# Altium PCB NIXIEClock_PCB_V3.2.PcbDoc (part 1 of 3)
Units mil, origin at the board's own origin, x right, y up, seen from the top; angles counter-clockwise.
Board outline 9842.52 x 2952.76 mil, 2 copper layers (Top Layer, Bottom Layer); 233 components, 344 nets, 1063 pads, 410 vias.
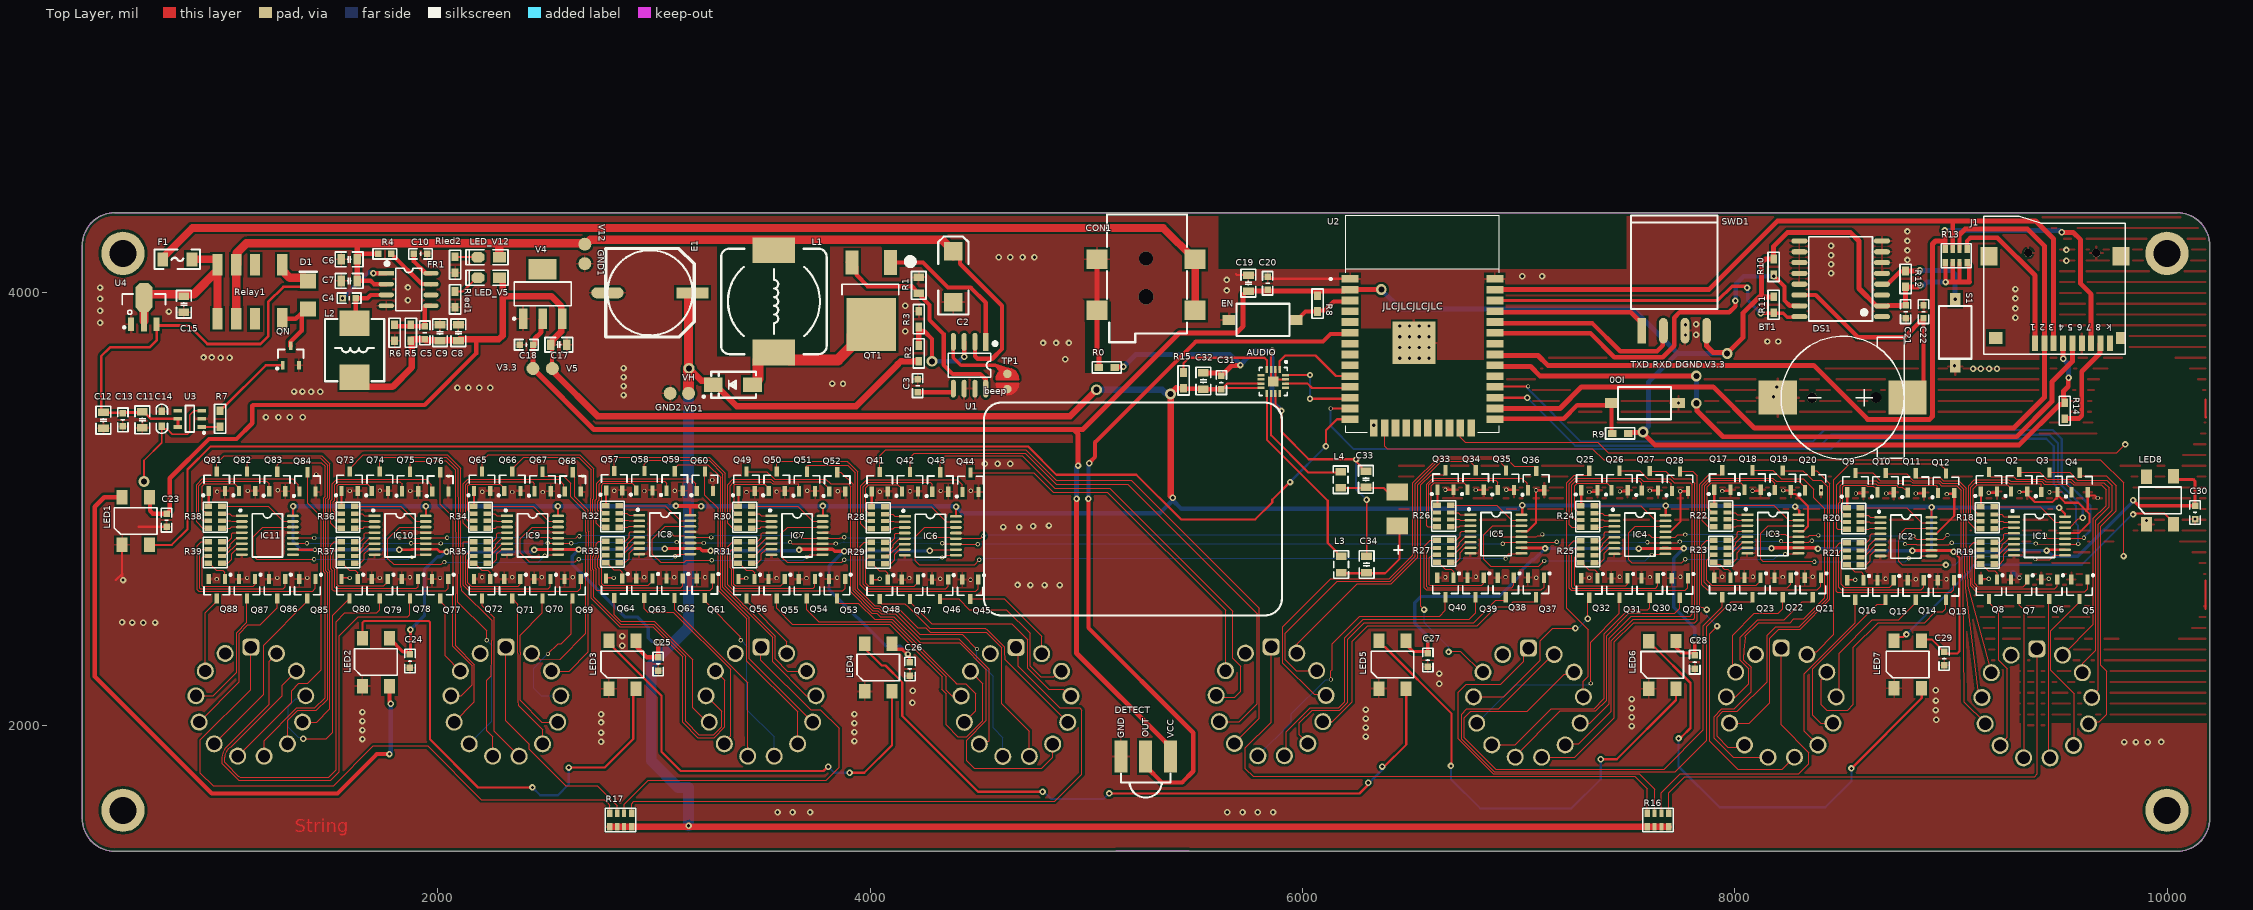
[diagram p0: Top Layer view]
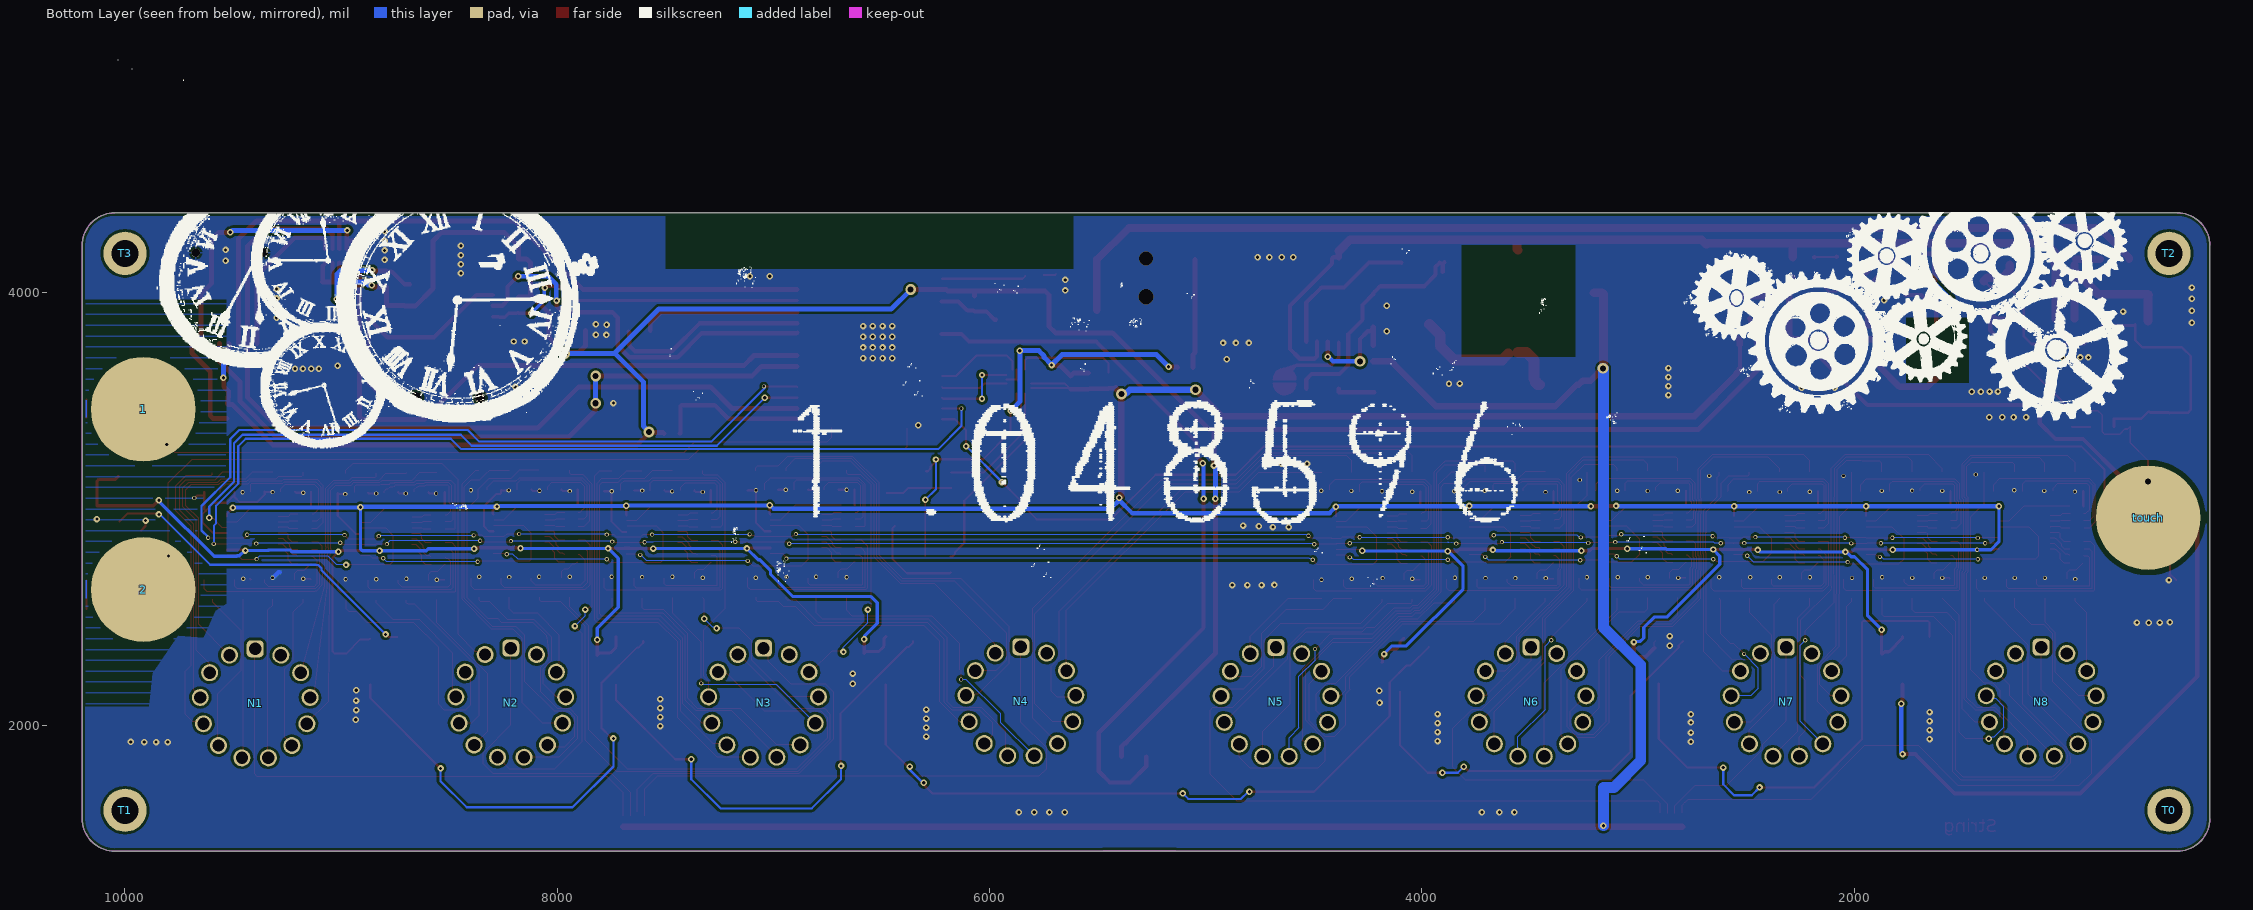
[diagram p1: Bottom Layer view, seen from below]

## Layer stack, top to bottom
Top Solder: solder mask 0.4, Solder Resist, Dk 3.5
Top Layer: signal copper 1.4
Dielectric 1: dielectric 12.6, FR-4, Dk 4.8
Bottom Layer: signal copper 1.4
Bottom Solder: solder mask 0.4, Solder Resist, Dk 3.5

## Board outline
355,1567.24 355,4220 cw(c505,4220) 505,4370 10047.52,4370 cw(c10047.52,4220) 10197.52,4220 10197.52,1567.24 cw(c10047.52,1567.24) 10047.52,1417.24 505,1417.24 cw(c505,1567.24)

## Design rules (kind name [scope] priority, off if disabled: settings)
Clearance Clearance_1 [InNamedPolygon('DGND_L01_P009') vs InNet('TOUCH1')] p1: gap=39.37 ignorepadtopadclearanceinfootprint=FALSE
Clearance Clearance_2 [InNamedPolygon('DGND_L01_P009') vs InNet('TOUCH2')] p2: gap=39.37 ignorepadtopadclearanceinfootprint=FALSE
Clearance top_DGND [InPolygon] p3: gap=11.81 ignorepadtopadclearanceinfootprint=FALSE
Clearance [All] p4: gap=6 ignorepadtopadclearanceinfootprint=TRUE except(11.81: Arc-THPad Arc-Via Track-THPad Track-Via SMDPad-THPad SMDPad-Via THPad-THPad THPad-Via Via-Via)
ComponentClearance [All] p1 off: gap=10 collisioncheckmode=3 verticalgap=10 showdistances=FALSE
HoleSize [All] p1: absolutevalues=TRUE maxlimit=500 minlimit=11.81 maxpercent=80.000 minpercent=20.000
MinimumSolderMaskSliver [All] p1: minsoldermaskwidth=0
PolygonConnect PolygonConnect_4 [All vs IsNamedPolygon('GND_L01_P006')] p1: thpad.connectstyle=Relief thpad.reliefconductorwidth=10 thpad.reliefentries=4 thpad.polygonreliefangle="90 Angle" thpad.airgapwidth=10 smdpad.connectstyle=Relief smdpad.reliefconductorwidth=10 smdpad.reliefentries=4 smdpad.polygonreliefangle="90 Angle" smdpad.airgapwidth=10 via.connectstyle=Direct via.reliefconductorwidth=10 via.reliefentries=4 via.polygonreliefangle="90 Angle" via.airgapwidth=10
PolygonConnect PolygonConnect_3 [All] p2: thpad.connectstyle=Relief thpad.reliefconductorwidth=10 thpad.reliefentries=4 thpad.polygonreliefangle="90 Angle" thpad.airgapwidth=10 smdpad.connectstyle=Relief smdpad.reliefconductorwidth=10 smdpad.reliefentries=4 smdpad.polygonreliefangle="90 Angle" smdpad.airgapwidth=10 via.connectstyle=Direct via.reliefconductorwidth=10 via.reliefentries=4 via.polygonreliefangle="90 Angle" via.airgapwidth=10
PolygonConnect PolygonConnect_2 [All vs IsNamedPolygon('Top Layer-No Net')] p3: connectstyle=Relief reliefconductorwidth=10 reliefentries=4 polygonreliefangle="90 Angle" airgapwidth=10
PolygonConnect PolygonConnect_1 [All vs IsNamedPolygon('Top Layer-No Net')] p4: connectstyle=Relief reliefconductorwidth=10 reliefentries=4 polygonreliefangle="90 Angle" airgapwidth=10
PolygonConnect [All] p5: connectstyle=Relief reliefconductorwidth=43 reliefentries=4 polygonreliefangle="45 Angle" airgapwidth=10
RoutingVias [All] p1: holewidth=28 width=50 viastyle="Through Hole" minholewidth=11.81 minwidth=19.68 maxholewidth=28 maxwidth=50
SilkToSilkClearance [All] p1: silktosilkclearance=0
SilkToSolderMaskClearance [IsPad] p1: minsilkscreentomaskgap=0 clearancetoexposedcopper=TRUE
SolderMaskExpansion [All] p1: expansion=4 istentingtop=FALSE
UnRoutedNet [All] p1: checkbadconnections=TRUE
Width [All] p1: maxlimit=100 minlimit=5 preferedwidth=24
24 further rules are at their usual default settings.

## Components (designator, comment, footprint, x,y, rotation, side; value= is the part's Value field where it differs from the comment)
1 "Touchpad" TOUCHPAD 9915,3461.31 r0 bottom
2 "Touchpad" TOUCHPAD 9915,2627.51 r0 bottom
AUDIO "MAX98357" QFN16_3X3 5865,3590 r180 top
beep "beep" BEEP2 5215.97,2999.91 r270 top
BT1 "CR1220 holder" BAT1220 8500,3515 r90 top
C2 "100u/16v" "CD C(6032)" 4385,4075 r270 top
C3 "0.1uF" "C 0603_L" 4220,3570.59 r90 top
C4 "0.1uF" "C 0603_L" 1590,3975.35 r180 top
C5 "100pF" "C 0603_L" 1940,3815.35 r270 top
C6 "10uF" "C 0805_L" 1590,4155.35 r0 top
C7 "10uF" "C 0805_L" 1590,4055.35 r0 top
C8 "22uF" "C 0805_L" 2095,3815.35 r270 top
C9 "22uF" "C 0805_L" 2010,3815.35 r270 top
C10 "0.1uF" "C 0603_L" 1920,4180.35 r180 top
C11 "10uF" "C 0805_L" 633,3412.5 r90 top
C12 "10uF" "C 0805_L" 453,3410.96 r90 top
C13 "0.1uF" "C 0603_L" 543,3412.5 r270 top
C14 "20pf" "C 0603" 723,3417.5 r270 top
C15 "10uF" "C 0805_L" 825,3947.4 r270 top
C17 "10uF" "C 0805_L" 2560,3760 r180 top
C18 "0.1uF" "C 0603_L" 2410,3760 r0 top
C19 "10uF" "C 0805_L" 5750,4045 r90 top
C20 "0.1uF" "C 0603_L" 5838.77,4044.46 r90 top
C21 "0.1uF" "C 0603_L" 8790.61,3912.76 r270 top
C22 "0.1uF" "C 0603_L" 8873.19,3912.76 r90 top
C23 "0.1uF" "C 0603_L" 745,2948.21 r90 top
C24 "0.1uF" "C 0603_L" 1871.11,2296.88 r90 top
C25 "0.1uF" "C 0603_L" 3019.08,2283.14 r90 top
C26 "0.1uF" "C 0603_L" 4184.13,2260.01 r90 top
C27 "0.1uF" "C 0603_L" 6580.22,2301.44 r90 top
C28 "0.1uF" "C 0603_L" 7814.89,2291.88 r90 top
C29 "0.1uF" "C 0603_L" 8968.41,2308.44 r90 top
C30 "0.1uF" "C 0603_L" 10129.37,2984.05 r90 top
C31 "0.1uF" "C 0603_L" 5625,3585 r90 top
C32 "10uF" "C 0805_L" 5541.19,3592.49 r90 top
C33 "220pF" "C 0805_L" 6293.36,3137.53 r90 top
C34 "220pF" "C 0805_L" 6296.78,2743.45 r90 top
CON1 "3.5*1.3" DC-050 5276.26,3981.77 r270 top
D1 "1N4007" 1N4007W 1400,3925 r90 top
DETECT "RDB223" 红外热释电 5275,1810 r0 top
DS1 "DS3231" SOP16_75MM 8490,4065 r180 top
E1 "10uF/400V" "CM F(10*10.2)" 2981.42,4000.35 r0 top
EN "SW-PB" 贴片按键（红头） 5940,3950 r180 top
F1 "3A" "FU 1206" 795,4155 r0 top
FR1 "FR9886 2.5A" SOP8_N 1865,4015.35 r0 top
GND1 "TEST" TEST 2680,4135 r90 top
GND2 "TEST" TEST 3075,3535 r90 top
IC1 "74HC595" TSSOP16_N 9410.03,2875.7 r0 top
IC2 "74HC595" TSSOP16_N 8792.22,2872.28 r0 top
IC3 "74HC595" TSSOP16_N 8176.58,2884.36 r0 top
IC4 "74HC595" TSSOP16_N 7561.32,2881.61 r0 top
IC5 "74HC595" TSSOP16_N 6895.74,2884.12 r0 top
IC6 "74HC595" TSSOP16_N 4278.73,2876.2 r0 top
IC7 "74HC595" TSSOP16_N 3662.3,2878.33 r0 top
IC8 "74HC595" TSSOP16_N 3050.2,2881.26 r0 top
IC9 "74HC595" TSSOP16_N 2438.89,2878.33 r0 top
IC10 "74HC595" TSSOP16_N 1826.1,2878.33 r0 top
IC11 "74HC595" TSSOP16_N 1211.71,2878.33 r0 top
IO0 "SW-PB" 贴片按键（红头） 7460,3415 r0 top
J1 "Micro SD" "Micro SD" 9515,4185 r180 top
L1 "150uf" CDRH127 3555,3960.35 r270 top
L2 "10uH" L-SMD-0630 1615,3735.35 r270 top
L3 "10uH" "L 0805_L" 6179.26,2743.45 r270 top
L4 "10uH" "L 0805_L" 6177,3135.29 r270 top
LED1 "WS2812B" WS2812B-5050 665.47,3054.51 r270 top
LED2 "WS2812B" WS2812B-5050 1776.87,2401.56 r270 top
LED3 "WS2812B" WS2812B-5050 2917.18,2389.76 r270 top
LED4 "WS2812B" WS2812B-5050 4101.24,2376.47 r270 top
LED5 "WS2812B" WS2812B-5050 6479.77,2389.79 r270 top
LED6 "WS2812B" WS2812B-5050 7727.96,2388.47 r270 top
LED7 "WS2812B" WS2812B-5050 8863.25,2390.55 r270 top
LED8 "WS2812B" WS2812B-5050 10030.43,3149.58 r270 top
LED_V5 "绿色" "LED 0805G" 2235,4070 r180 top
LED_V12 "蓝色" "LED 0805B" 2235,4165 r180 top
N1 "ИН-14" IN14 9397.44,2097.26 r0 bottom
N2 "ИН-14" IN14 8215,2100.14 r0 bottom
N3 "ИН-14" IN14 7045.57,2100.28 r0 bottom
N4 "ИН-14" IN14 5855,2106.85 r0 bottom
N5 "ИН-14" IN14 4675,2104.07 r0 bottom
N6 "ИН-14" IN14 3495,2105 r0 bottom
N7 "ИН-14" IN14 2315,2105 r0 bottom
N8 "ИН-14" IN14 1135,2105.14 r0 bottom
Q1 "MMBTA42" SOT23-3N 9165.98,3105.71 r270 top
Q2 "MMBTA42" SOT23-3N 9305.82,3105.71 r270 top
Q3 "MMBTA42" SOT23-3N 9445.66,3104.33 r270 top
Q4 "MMBTA42" SOT23-3N 9585.51,3102.95 r270 top
Q5 "MMBTA42" SOT23-3N 9604.66,2648.42 r90 top
Q6 "MMBTA42" SOT23-3N 9465.05,2648.42 r90 top
Q7 "MMBTA42" SOT23-3N 9325.43,2648.42 r90 top
Q8 "MMBTA42" SOT23-3N 9185.82,2648.42 r90 top
Q9 "MMBTA42" SOT23-3N 8548.17,3102.29 r270 top
Q10 "MMBTA42" SOT23-3N 8688.01,3102.29 r270 top
Q11 "MMBTA42" SOT23-3N 8827.85,3100.91 r270 top
Q12 "MMBTA42" SOT23-3N 8967.7,3099.53 r270 top
Q13 "MMBTA42" SOT23-3N 8986.85,2645 r90 top
Q14 "MMBTA42" SOT23-3N 8847.24,2645 r90 top
Q15 "MMBTA42" SOT23-3N 8707.62,2645 r90 top
Q16 "MMBTA42" SOT23-3N 8568.01,2645 r90 top
Q17 "MMBTA42" SOT23-3N 7932.52,3114.37 r270 top
Q18 "MMBTA42" SOT23-3N 8072.36,3114.37 r270 top
Q19 "MMBTA42" SOT23-3N 8212.21,3112.99 r270 top
Q20 "MMBTA42" SOT23-3N 8352.05,3111.61 r270 top
Q21 "MMBTA42" SOT23-3N 8371.2,2657.08 r90 top
Q22 "MMBTA42" SOT23-3N 8231.59,2657.08 r90 top
Q23 "MMBTA42" SOT23-3N 8091.98,2657.08 r90 top
Q24 "MMBTA42" SOT23-3N 7952.36,2657.08 r90 top
Q25 "MMBTA42" SOT23-3N 7317.27,3111.61 r270 top
Q26 "MMBTA42" SOT23-3N 7457.11,3111.61 r270 top
Q27 "MMBTA42" SOT23-3N 7596.95,3110.23 r270 top
Q28 "MMBTA42" SOT23-3N 7736.8,3108.86 r270 top
Q29 "MMBTA42" SOT23-3N 7755.95,2654.33 r90 top
Q30 "MMBTA42" SOT23-3N 7616.34,2654.33 r90 top
Q31 "MMBTA42" SOT23-3N 7476.72,2654.33 r90 top
Q32 "MMBTA42" SOT23-3N 7337.11,2654.33 r90 top
Q33 "MMBTA42" SOT23-3N 6651.68,3114.12 r270 top
Q34 "MMBTA42" SOT23-3N 6791.53,3114.12 r270 top
Q35 "MMBTA42" SOT23-3N 6931.37,3112.75 r270 top
Q36 "MMBTA42" SOT23-3N 7071.21,3111.37 r270 top
Q37 "MMBTA42" SOT23-3N 7090.37,2656.84 r90 top
Q38 "MMBTA42" SOT23-3N 6950.76,2656.84 r90 top
Q39 "MMBTA42" SOT23-3N 6811.14,2656.84 r90 top
Q40 "MMBTA42" SOT23-3N 6671.53,2656.84 r90 top
Q41 "MMBTA42" SOT23-3N 4034.67,3106.2 r270 top
Q42 "MMBTA42" SOT23-3N 4174.52,3106.2 r270 top
Q43 "MMBTA42" SOT23-3N 4314.36,3104.82 r270 top
Q44 "MMBTA42" SOT23-3N 4454.2,3103.44 r270 top
Q45 "MMBTA42" SOT23-3N 4473.36,2648.92 r90 top
Q46 "MMBTA42" SOT23-3N 4333.74,2648.92 r90 top
Q47 "MMBTA42" SOT23-3N 4194.13,2648.92 r90 top
Q48 "MMBTA42" SOT23-3N 4054.52,2648.92 r90 top
Q49 "MMBTA42" SOT23-3N 3418.25,3108.33 r270 top
Q50 "MMBTA42" SOT23-3N 3558.09,3108.33 r270 top
Q51 "MMBTA42" SOT23-3N 3697.94,3106.96 r270 top
Q52 "MMBTA42" SOT23-3N 3837.78,3105.58 r270 top
Q53 "MMBTA42" SOT23-3N 3856.93,2651.05 r90 top
Q54 "MMBTA42" SOT23-3N 3717.32,2651.05 r90 top
Q55 "MMBTA42" SOT23-3N 3577.71,2651.05 r90 top
Q56 "MMBTA42" SOT23-3N 3438.09,2651.05 r90 top
Q57 "MMBTA42" SOT23-3N 2806.15,3111.26 r270 top
Q58 "MMBTA42" SOT23-3N 2945.99,3111.26 r270 top
Q59 "MMBTA42" SOT23-3N 3085.83,3109.88 r270 top
Q60 "MMBTA42" SOT23-3N 3225.68,3108.5 r270 top
Q61 "MMBTA42" SOT23-3N 3244.83,2653.98 r90 top
Q62 "MMBTA42" SOT23-3N 3105.22,2653.98 r90 top
Q63 "MMBTA42" SOT23-3N 2965.6,2653.98 r90 top
Q64 "MMBTA42" SOT23-3N 2825.99,2653.98 r90 top
Q65 "MMBTA42" SOT23-3N 2194.83,3108.33 r270 top
Q66 "MMBTA42" SOT23-3N 2334.68,3108.33 r270 top
Q67 "MMBTA42" SOT23-3N 2474.52,3106.95 r270 top
Q68 "MMBTA42" SOT23-3N 2614.36,3105.57 r270 top
Q69 "MMBTA42" SOT23-3N 2633.52,2651.05 r90 top
Q70 "MMBTA42" SOT23-3N 2493.9,2651.05 r90 top
Q71 "MMBTA42" SOT23-3N 2354.29,2651.05 r90 top
Q72 "MMBTA42" SOT23-3N 2214.67,2651.05 r90 top
Q73 "MMBTA42" SOT23-3N 1582.04,3108.33 r270 top
Q74 "MMBTA42" SOT23-3N 1721.88,3108.33 r270 top
Q75 "MMBTA42" SOT23-3N 1861.73,3106.95 r270 top
Q76 "MMBTA42" SOT23-3N 2001.57,3105.57 r270 top
Q77 "MMBTA42" SOT23-3N 2020.73,2651.05 r90 top
Q78 "MMBTA42" SOT23-3N 1881.11,2651.05 r90 top
Q79 "MMBTA42" SOT23-3N 1741.5,2651.05 r90 top
Q80 "MMBTA42" SOT23-3N 1601.88,2651.05 r90 top
Q81 "MMBTA42" SOT23-3N 967.66,3108.33 r270 top
Q82 "MMBTA42" SOT23-3N 1107.5,3108.33 r270 top
Q83 "MMBTA42" SOT23-3N 1247.34,3106.95 r270 top
Q84 "MMBTA42" SOT23-3N 1387.19,3105.57 r270 top
Q85 "MMBTA42" SOT23-3N 1406.34,2651.05 r90 top
Q86 "MMBTA42" SOT23-3N 1266.72,2651.05 r90 top
Q87 "MMBTA42" SOT23-3N 1127.11,2651.05 r90 top
Q88 "MMBTA42" SOT23-3N 987.5,2651.05 r90 top
QN "S9013" SOT23-3L 1320,3710 r0 top
QT1 "IRFR224" TO252 4005,4020 r180 top
R0 "0" "R 0603" 5094.52,3655.19 r0 top
R1 "50m" "R 0805_L" 4225,4035 r270 top
R2 "1.8M/0603/1%" "R 0603" 4225,3720 r270 top
R3 "16K/0603/1%" "R 0603" 4225,3878.5 r270 top
R4 "100K" "R 0603_L" 1755,4180.35 r0 top
R5 "44.2K" "R 0603" 1875,3815.35 r270 top
R6 "10K" "R 0603" 1800,3815.35 r90 top
R7 "1K" "R 0603" 993,3417.5 r90 top
R8 "10K" "R 0603" 6070,3950 r90 top
R9 "10K" "R 0603" 7470,3350 r0 top
R10 "10K" "R 0603" 8180,4120 r90 top value=10k
R11 "10k" "R 0603" 8180,3945 r90 top value=10K
R12 "10K" "R 0603" 8790.61,4064.32 r270 top
R13 "10k" RCA-8P4R-0603 9024.25,4171.5 r0 top
R14 "10K" "R 0603" 9526.68,3454.76 r90 top
R15 "1M" "R 0603" 5450,3595 r90 top
R16 "20K" RCA-8P4R-0603 7645,1561.5 r0 top
R17 "20K" RCA-8P4R-0603 2845.75,1561.5 r0 top
R18 "1k" RCA-8P4R-0603 9168.28,2959.37 r270 top
R19 "1k" RCA-8P4R-0603 9168.28,2795.98 r270 top
R20 "1k" RCA-8P4R-0603 8550.47,2955.94 r270 top
R21 "1k" RCA-8P4R-0603 8550.47,2792.55 r270 top
R22 "1k" RCA-8P4R-0603 7934.82,2968.03 r270 top
R23 "1k" RCA-8P4R-0603 7934.82,2804.64 r270 top
R24 "1k" RCA-8P4R-0603 7319.57,2965.27 r270 top
R25 "1k" RCA-8P4R-0603 7319.57,2801.88 r270 top
R26 "1k" RCA-8P4R-0603 6653.99,2967.79 r270 top
R27 "1k" RCA-8P4R-0603 6653.99,2804.4 r270 top
R28 "1k" RCA-8P4R-0603 4036.98,2959.86 r270 top
R29 "1k" RCA-8P4R-0603 4036.98,2796.47 r270 top
R30 "1k" RCA-8P4R-0603 3420.55,2961.99 r270 top
R31 "1k" RCA-8P4R-0603 3420.55,2798.6 r270 top
R32 "1k" RCA-8P4R-0603 2808.45,2964.92 r270 top
R33 "1k" RCA-8P4R-0603 2808.45,2801.53 r270 top
R34 "1k" RCA-8P4R-0603 2197.14,2961.99 r270 top
R35 "1k" RCA-8P4R-0603 2197.14,2798.6 r270 top
R36 "1k" RCA-8P4R-0603 1584.35,2961.99 r270 top
R37 "1k" RCA-8P4R-0603 1584.35,2798.6 r270 top
R38 "1k" RCA-8P4R-0603 969.96,2961.99 r270 top
R39 "1k" RCA-8P4R-0603 969.96,2798.6 r270 top
Relay1 "改为5V" HFD4 1280,4130 r180 top
Rled1 "180" "R 0603" 2080,3970 r90 top
Rled2 "820" "R 0603" 2080,4130 r90 top
S1 "SW-PB" 贴片按键（红头） 8945,3940 r270 top
SWD1 "Header 4" HDR2.54-M-WS-4P 7720,3825 r0 top
T0 "铜柱" 铜柱_六芒星 543.36,1606.34 r180 bottom
T1 "铜柱" 铜柱_六芒星 9999.46,1606.34 r180 bottom
T2 "铜柱" 铜柱_六芒星 543.36,4182.74 r180 bottom
T3 "铜柱" 铜柱_六芒星 9999.46,4182.74 r180 bottom
touch "Touchpad" TOUCHPAD 640,2960 r0 bottom (schematic designator TOUCH)
TP1 "DEBUG PAD" "DEBUG PAD2" 4635,3590 r90 top
U1 "MAX1771" SOP8_M 4460,3665 r270 top
U2 "ESP32-WROOM-32D" *MODULE_ESP32-WROOM-32D 6555.35,3857.91 r0 top
U3 "ttp223" SOT23-6L 853,3417.5 r90 top
U4 "HT7150" SOT89_M 640,3935 r0 top
V3.3 "TEST" TEST 2440,3650 r90 top
V4 "AMS1117-3V3" SOT223_N 2485,3995 r90 top
V5 "TEST" TEST 2530,3650 r0 top
V12 "TEST" TEST 2680,4225 r90 top
VD1 ">1A 400V(RS1G)" SMA 3365,3575 r180 top
VH "TEST" TEST 3160,3535 r0 top

## Footprints (in the part's own frame and the unit in brackets; to place one, negate y for a bottom-side part, rotate by r counter-clockwise, add the part's x,y. Pads: shape width x height; smd on the part's side, far side on the other; paste and mask are expansions set on the pad)
1N4007W [mil]
  rect 70x75 smd: 1(0,0) 2(130,0)
  silkscreen extent 173,-41 173,39
*MODULE_ESP32-WROOM-32D [mm]
  rect 2x0.9 smd: 1(-8.5,5.26) 2(-8.5,3.99) 3(-8.5,2.72) 4(-8.5,1.45) 5(-8.5,0.18) 6(-8.5,-1.09) 7(-8.5,-2.36) 8(-8.5,-3.63) 9(-8.5,-4.9) 10(-8.5,-6.17) 11(-8.5,-7.44) 12(-8.5,-8.71) 13(-8.5,-9.98) 14(-8.5,-11.25) 25(8.5,-11.25) 26(8.5,-9.98) 27(8.5,-8.71) 28(8.5,-7.44) 29(8.5,-6.17) 30(8.5,-4.9) 31(8.5,-3.63) 32(8.5,-2.36) 33(8.5,-1.09) 34(8.5,0.18) 35(8.5,1.45) 36(8.5,2.72) 37(8.5,3.99) 38(8.5,5.26)
  rect 0.9x2 smd: 15(-5.715,-12.25) 16(-4.445,-12.25) 17(-3.175,-12.25) 18(-1.905,-12.25) 19(-0.635,-12.25) 20(0.635,-12.25) 21(1.905,-12.25) 22(3.175,-12.25) 23(4.445,-12.25) 24(5.715,-12.25)
  rect 5x5 smd: 39(-1,-2.24)
  silkscreen extent -10.88,-12.75 9,12.75, body extent -9.01,-12.76 8.99,12.74, height 2.84
BAT1220 [mm]
  round 1.2 hole 1.2 unplated: 0(0,3.607)
  round 1.2 hole 1.3 unplated: 0(0,-3.886)
  rect 4x4.5 smd: 1(0,-7.595) 2(0,7.645)
  silkscreen extent -7.22,-7.19 7.22,7.24
BEEP2 [mm]
  rect 2x2.5 smd: 1(2,31.049) 2(-2,31.049)
  silkscreen extent -12.5,-17.5 12.5,31.67
"C 0603" [mil]
  rect 35x30 smd: 1(-35,0) 2(34,0)
  silkscreen extent -67,-26 67,26, body extent -31,-16 31,16, height 32
"C 0603_L" [mil] "无极性贴片电容"
  rect 30x30 smd: 1(-30.59,0) 2(30.59,0)
  silkscreen extent -55,-24 55,24, body extent -31,-16 31,16, height 32
"C 0805_L" [mil] "无极性贴片电容"
  rect 35x50 smd: 1(-37.4,0) 2(37.4,0)
  silkscreen extent -64,-34 64,34, body extent -39,-24 39,24, height 20
"CD C(6032)" [mm] "长6.0mm，宽3.2mm，厚2.5mm"
  rect 2.2x2.2 smd: 1(-3,0) 2(3,0)
  silkscreen extent -4.7,-1.78 4.44,1.78, body extent -3,-1.6 3,1.6, height 2.5
CDRH127 [mm]
  rect 3x5 smd: 1(-6,0) 2(6,0)
  silkscreen extent -6.2,-6.2 6.2,6.2, body extent -6,-6 6,6, height 7.8
"CM F(10*10.2)" [mm] "贴片电解电容，直径10mm，高10.2mm"
  rect 3.8x1.3 smd: 1(5,0)
  oval 3.8x1.3 smd: 2(-5,0)
  silkscreen extent -5.2,-5.2 5.2,5.2, body extent -5.8,-5.15 5.8,5.15, height 10.2
DC-050 [mm] "5.5*2.1"
  rect 2.3x2.5 smd: 1(-4.4,5.75) 1(1.6,5.75) 2(1.6,-5.75) 3(-4.4,-5.75)
  silkscreen extent -9.65,-4.57 5.33,4.83, body extent -9.5,-6.3 5.3,6.3, height 11
"DEBUG PAD2" [mm]
  round 1 smd: 1(-0.889,0) 2(0.889,0)
  Top Layer region: -0.254,1.27 -0.254,-1.27 -0.762,-1.143 -1.397,-0.508 -1.524,0.254 -1.27,0.762 -1.016,1.016 -0.508,1.27
  Top Layer region: 0.254,1.27 0.254,-1.27 0.762,-1.143 1.397,-0.508 1.524,0.254 1.27,0.762 1.016,1.016 0.508,1.27
  Top Layer lines w0.254: -0.254,1.27 ccw(c-0.254,0) -0.941,1.068 ccw(c-0.254,0) -0.254,-1.27 -0.254,1.27 ; 0.254,1.27 cw(c0.254,0) 0.508,1.244 cw(c0.254,0) 1.27,0.762 cw(c0.254,0) 1.412,0.523 cw(c0.254,0) 1.509,0.191 cw(c0.254,0) 1.152,-0.898 cw(c0.254,0) 0.254,-1.27 0.254,0.762 0.254,1.27
"FU 1206" [mil] "贴片保险丝"
  rect 50x65 smd: 1(-67.5,0) 2(67.5,0)
  silkscreen extent -105,-45 105,45, body extent -63,-32 63,32, height 34
HDR2.54-M-WS-4P [mm] "4P卧式贴片排母2.54"
  rect 1.02x3 smd: 1(-3.81,0)
  oval 1.02x3 smd: 2(-1.27,0) 3(1.27,0) 4(3.81,0)
  silkscreen extent -5.08,2.54 5.08,13.54, body extent -5.08,-0.43 5.08,13.54, height 2.54
HFD4 [mm]
  rect 1.2x2.5 smd: 1(0,0) 2(3.2,0) 3(5.4,0) 4(7.6,0) 5(7.6,6.35) 6(5.4,6.35) 7(3.2,6.35) 8(0,6.35)
IN14 [mm]
  rrect50% 2x2 hole 1.45: 1(0,-6.5)
  round 2 hole 1.45: 2(-3.021,-5.755) 3(-5.349,-3.693) 4(-6.453,-0.784) 5(-6.078,2.305) 6(-4.31,4.865) 7(-1.556,6.311) 8(1.555,6.311) 9(4.31,4.866) 10(6.078,2.305) 11(6.453,-0.784) 12(5.349,-3.693) 13(3.021,-5.755)
"L 0805_L" [mil] "小功率贴片电感"
  rect 35x50 smd: 1(-37.4,0) 2(37.4,0)
  silkscreen extent -64,-34 64,34, body extent -39,-24 39,24, height 35
L-SMD-0630 [mm] "一体化成型电感"